# Altium PCB блок вычислительный_v1.PcbDoc (part 1 of 2) (continued)
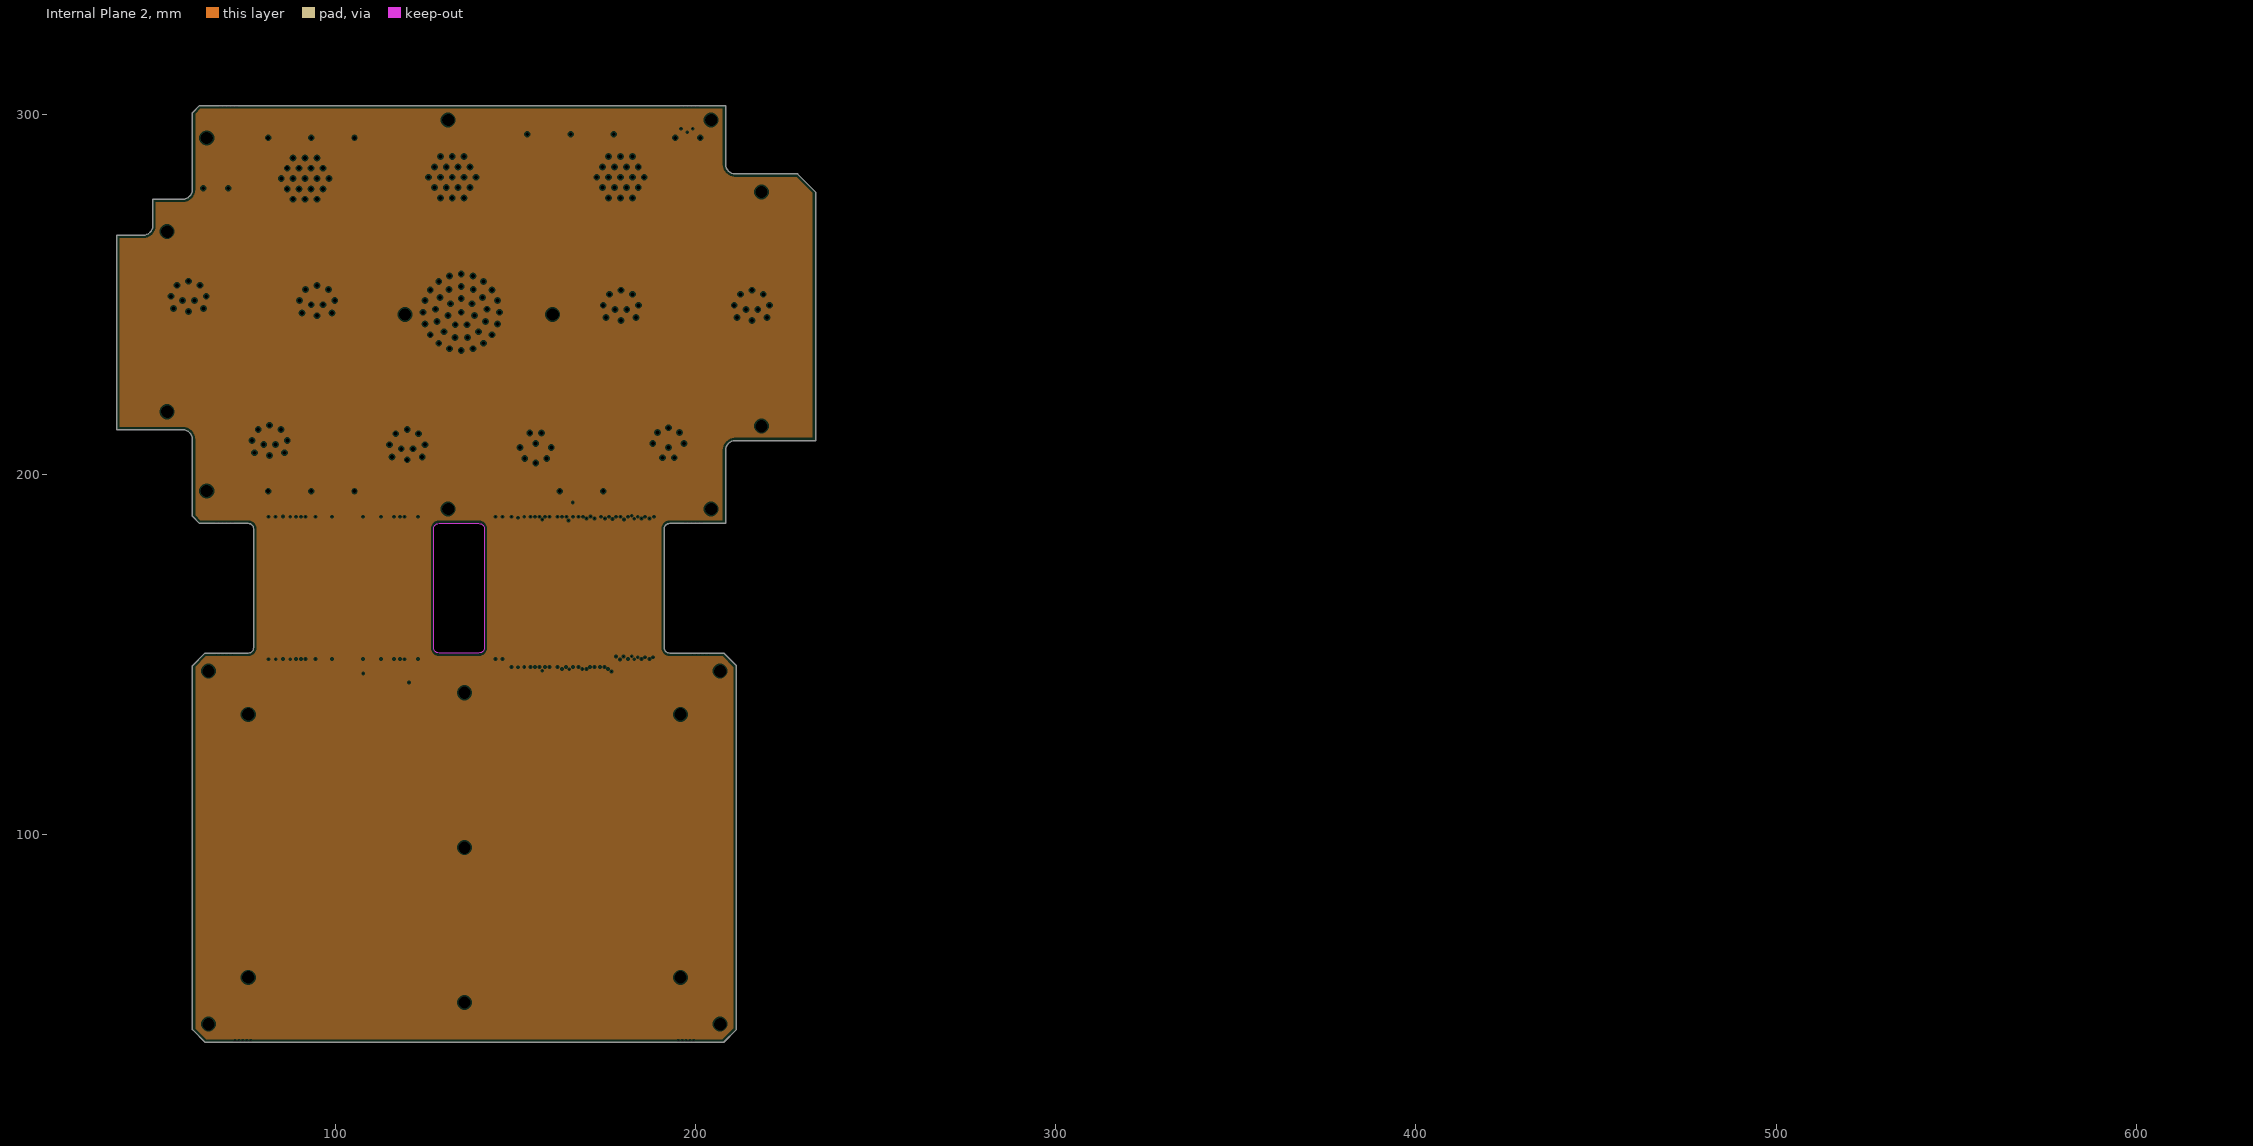
[diagram p5: Internal Plane 2, clearances drawn from the general rule]

## Layer stack, top to bottom
Top Solder: solder mask 0.0102, Solder Resist, Dk 3.5
Component Side: signal copper 0.018
Dielectric 1: core 0.5, FR-4, Dk 4.2
Internal Plane 1: plane copper 0.018, net GND
Dielectric 3: prepreg 0.1108, Dk 4.2
int1: signal copper 0.018
Dielectric 2: dielectric 0.15, Dk 3.4
int2: signal copper 0.018
Dielectric 5: prepreg 0.1108, Dk 4.2
Internal Plane 2: plane copper 0.018, net +3.3V
Dielectric 4: core 0.5, Dk 4.2
Bottom Layer: signal copper 0.018
Solder Side: solder mask 0.0102, Solder Resist, Dk 3.5

## Board outline
60.375,45.9 60.375,146.9 63.875,150.4 75.875,150.4 76.209,150.438 76.526,150.549 76.81,150.727 77.048,150.965 77.226,151.249 77.337,151.566 77.375,151.9 77.375,184.9 77.337,185.234 77.226,185.551 77.048,185.835 76.81,186.073 76.526,186.251 76.209,186.362 75.875,186.4 62.375,186.4 60.375,188.4 60.375,209.705 60.323,210.231 60.17,210.736 59.921,211.202 59.586,211.611 59.177,211.946 58.711,212.195 58.206,212.348 57.68,212.4 39.375,212.4 39.375,266.4 46.68,266.4 47.206,266.452 47.711,266.605 48.177,266.854 48.586,267.189 48.921,267.598 49.17,268.064 49.323,268.569 49.375,269.095 49.375,276.4 57.68,276.4 58.206,276.452 58.711,276.605 59.177,276.854 59.586,277.189 59.921,277.598 60.17,278.064 60.323,278.569 60.375,279.095 60.375,300.4 62.375,302.4 208.375,302.4 208.375,286.095 208.427,285.569 208.58,285.064 208.829,284.598 209.164,284.189 209.573,283.854 210.039,283.605 210.544,283.452 211.07,283.4 228.375,283.4 233.375,278.4 233.375,209.4 211.07,209.4 210.544,209.348 210.039,209.195 209.573,208.946 209.164,208.611 208.829,208.202 208.58,207.736 208.427,207.231 208.375,206.705 208.375,186.4 192.875,186.4 192.541,186.362 192.224,186.251 191.94,186.073 191.702,185.835 191.524,185.551 191.413,185.234 191.375,184.9 191.375,151.9 191.413,151.566 191.524,151.249 191.702,150.965 191.94,150.727 192.224,150.549 192.541,150.438 192.875,150.4 207.875,150.4 211.375,146.9 211.375,45.9 207.875,42.4 63.875,42.4
cut-out: 141.375,151.9 141.337,151.566 141.226,151.249 141.048,150.965 140.81,150.727 140.526,150.549 140.209,150.438 139.875,150.4 128.875,150.4 128.541,150.438 128.224,150.549 127.94,150.727 127.702,150.965 127.524,151.249 127.413,151.566 127.375,151.9 127.375,184.9 127.413,185.234 127.524,185.551 127.702,185.835 127.94,186.073 128.224,186.251 128.541,186.362 128.875,186.4 139.875,186.4 140.209,186.362 140.526,186.251 140.81,186.073 141.048,185.835 141.226,185.551 141.337,185.234 141.375,184.9
board region "Layer Stack Region 1": 77.226,185.551 77.048,185.835 76.81,186.073 76.526,186.251 76.209,186.362 75.875,186.4 62.375,186.4 60.375,188.4 60.375,209.705 60.323,210.231 60.17,210.736 59.921,211.202 59.586,211.611 59.177,211.946 58.711,212.195 58.206,212.348 57.68,212.4 39.375,212.4 39.375,266.4 46.68,266.4 47.206,266.452 47.711,266.605 48.177,266.854 48.586,267.189 48.921,267.598 49.17,268.064 49.323,268.569 49.375,269.095 49.375,276.4 57.68,276.4 58.206,276.452 58.711,276.605 59.177,276.854 59.586,277.189 59.921,277.598 60.17,278.064 60.323,278.569 60.375,279.095 60.375,300.4 62.375,302.4 208.375,302.4 208.375,286.095 208.427,285.569 208.58,285.064 208.829,284.598 209.164,284.189 209.573,283.854 210.039,283.605 210.544,283.452 211.07,283.4 228.375,283.4 233.375,278.4 233.375,209.4 211.07,209.4 210.544,209.348 210.039,209.195 209.573,208.946 209.164,208.611 208.829,208.202 208.58,207.736 208.427,207.231 208.375,206.705 208.375,186.4 192.875,186.4 192.541,186.362 192.224,186.251 191.94,186.073 191.702,185.835 191.586,185.65
board region "Layer Stack Region 1": 77.226,151.249 77.337,151.566 77.375,151.9 77.375,184.9 77.337,185.234 77.226,185.551 191.586,185.65 191.524,185.551 191.413,185.234 191.375,184.9 191.375,151.9 191.413,151.566 191.523,151.25
board region "Layer Stack Region 1": 191.523,151.25 191.524,151.249 191.702,150.965 191.94,150.727 192.224,150.549 192.541,150.438 192.875,150.4 207.875,150.4 211.375,146.9 211.375,45.9 207.875,42.4 63.875,42.4 60.375,45.9 60.375,146.9 63.875,150.4 75.875,150.4 76.209,150.438 76.526,150.549 76.81,150.727 77.048,150.965 77.226,151.249

## Design rules (kind name [scope] priority, off if disabled: settings)
AcuteAngle [All] p1: minimum=6.00000000000000E+0001 checktracksonly=FALSE
Clearance "Заливка медью" [InPolygon] p1: gap=0.25 ignorepadtopadclearanceinfootprint=FALSE except(0: Arc-Hole Track-Hole SMDPad-Hole THPad-Hole Via-Hole Fill-Hole Poly-Hole Region-Hole Text-Hole)
Clearance Переходное-площадка [IsVia vs IsPad And Not HasPad('D1000-21')] p2: gap=0.1 ignorepadtopadclearanceinfootprint=FALSE except(0: Arc-Hole Track-Hole SMDPad-Hole THPad-Hole Via-Hole Fill-Hole Poly-Hole Region-Hole Text-Hole)
Clearance Все [All] p3: gap=0.2 ignorepadtopadclearanceinfootprint=FALSE except(0: Arc-Hole Track-Hole SMDPad-Hole THPad-Hole Via-Hole Fill-Hole Poly-Hole Region-Hole Text-Hole)
ComponentClearance "Для компонентов N и P" [HasFootprint('Пл.площ.2.1х0.8') vs HasFootprint('Пл.площ.2.1х0.8')] p1: gap=0.2 collisioncheckmode=3 verticalgap=2540 showdistances=FALSE
ComponentClearance [All] p2: gap=0.7 collisioncheckmode=3 verticalgap=1.25 showdistances=TRUE
DiffPairsRouting [All] p1: maxlimit=0.3 minlimit=0.3 mostfreqgap=0.3 toplayer_minwidth=0.2 toplayer_maxwidth=0.2 toplayer_prefwidth=0.2 midlayer2_minwidth=0.2 midlayer2_maxwidth=0.2 midlayer2_prefwidth=0.2 midlayer3_minwidth=0.2 midlayer3_maxwidth=0.2 midlayer3_prefwidth=0.2 bottomlayer_minwidth=0.2 bottomlayer_maxwidth=0.2 bottomlayer_prefwidth=0.2 substack1={EC26FFAE-74DD-44A2-B7C8-370818741CBE} toplayer_{ec26ffae-74dd-44a2-b7c8-370818741cbe}_minwidth=0.381 toplayer_{ec26ffae-74dd-44a2-b7c8-370818741cbe}_maxwidth=0.381 toplayer_{ec26ffae-74dd-44a2-b7c8-370818741cbe}_prefwidth=0.381 midlayer2_{ec26ffae-74dd-44a2-b7c8-370818741cbe}_minwidth=0.381 midlayer2_{ec26ffae-74dd-44a2-b7c8-370818741cbe}_maxwidth=0.381 midlayer2_{ec26ffae-74dd-44a2-b7c8-370818741cbe}_prefwidth=0.381 midlayer3_{ec26ffae-74dd-44a2-b7c8-370818741cbe}_minwidth=0.381 midlayer3_{ec26ffae-74dd-44a2-b7c8-370818741cbe}_maxwidth=0.381 midlayer3_{ec26ffae-74dd-44a2-b7c8-370818741cbe}_prefwidth=0.381 bottomlayer_{ec26ffae-74dd-44a2-b7c8-370818741cbe}_minwidth=0.381 bottomlayer_{ec26ffae-74dd-44a2-b7c8-370818741cbe}_maxwidth=0.381 bottomlayer_{ec26ffae-74dd-44a2-b7c8-370818741cbe}_prefwidth=0.381 maxuncoupledlength=53
Height [All] p1: minheight=0 maxheight=50 prefheight=12.7
HoleSize [All] p1: absolutevalues=TRUE maxlimit=4.5 minlimit=0.2 maxpercent=80.000 minpercent=20.000
HoleToHoleClearance "отв. для разлома" [IsPad And (HoleSize = AsMM(0.7)) vs IsPad And (HoleSize = AsMM(0.7))] p1: gap=0.4 allowstackedmicrovias=TRUE
HoleToHoleClearance [All] p2: gap=0.8 allowstackedmicrovias=TRUE
MinimumAnnularRing [All] p1: minimumring=0.25
MinimumSolderMaskSliver [All] p1: minsoldermaskwidth=0.199
PlaneClearance "зазор с неметал отв." [Not  PadIsPlated] p1: clearance=0.8
PlaneClearance [All] p2: clearance=0.4
PlaneConnect Via_Direct [IsVia] p1: planeconnectstyle=Direct reliefexpansion=0.508 reliefentries=4 reliefconductorwidth=0.254 reliefairgap=0.254
PlaneConnect "Width 0.5" [(HoleSize >  AsMM(1.0))] p2: planeconnectstyle=Relief reliefexpansion=0.5 reliefentries=4 reliefconductorwidth=0.5 reliefairgap=0.3
PlaneConnect [All] p3: planeconnectstyle=Relief reliefexpansion=0.4 reliefentries=4 reliefconductorwidth=0.25 reliefairgap=0.25
PolygonConnect Переходное [IsVia] p1: connectstyle=Direct reliefconductorwidth=0.254 reliefentries=4 polygonreliefangle="90 Angle" airgapwidth=0.254
PolygonConnect [All] p2: connectstyle=Relief reliefconductorwidth=0.25 reliefentries=4 polygonreliefangle="90 Angle" airgapwidth=0.25
RoutingCorners [All] p1: cornerstyle=45-Degree minsetback=2.5 maxsetback=2.5
RoutingVias [All] p1: holewidth=0.3 width=0.7 viastyle="Through Hole" minholewidth=0.2 minwidth=0.5 maxholewidth=0.4 maxwidth=1
SilkToBoardRegionClearance [All] p1 off:
SilkToSilkClearance [All] p1 off: silktosilkclearance=0.2
SilkToSolderMaskClearance [IsPad] p1 off: minsilkscreentomaskgap=0.2 clearancetoexposedcopper=TRUE
SolderMaskExpansion "Via <= 0.4mm" [IsVia And (HoleSize <= AsMM(0.4))] p1: expansion=-2 istentingtop=FALSE
SolderMaskExpansion [All] p2: expansion=0.075 istentingtop=FALSE
ViasUnderSMD "Перех.под площадкой D1000-21" [HasPad('D1000-21')] p1: allowed=TRUE
ViasUnderSMD [All] p2: allowed=FALSE
Width Width_1 [InNetClass('1A')] p1: maxlimit=1 minlimit=0.25 preferedwidth=1 substack1={EC26FFAE-74DD-44A2-B7C8-370818741CBE} checkconnectedcopper=TRUE
Width Width_0.5 [InNetClass('0.5A')] p2: maxlimit=0.5 minlimit=0.25 preferedwidth=0.5 substack1={EC26FFAE-74DD-44A2-B7C8-370818741CBE} checkconnectedcopper=TRUE
Width [All] p3: maxlimit=2 minlimit=0.15 preferedwidth=0.2 substack1={EC26FFAE-74DD-44A2-B7C8-370818741CBE} checkconnectedcopper=TRUE
18 further rules are at their usual default settings.

## Classes and differential pairs
component class InternalConnection: D3 N1 N2 N3 N4 N5 N6 N7 N8 N9 N10 N11 N12 N13 N14 N15 N16 N17 N18 N19 N20 N21 N22 N23 N24 N25 N26 N27 N28 N29 N30 N31 N32 N33 N34 N35 N36 N37 N38 N39 N40 N41 N42 N43 N44 N45 N46 N47 N48 N49 N50 N51 N52 N53 N54 N55 N56 N57 N58 N59 N60 N61 N62 N63 N64 N65 N66 N67 N68 N69 N70 N71 N72 N73 N74 N75 N76 N77 N78 N79 N80 N81 N82 R30 R31 R32 R33 R34 R35 VD5 X164 X165 X166 X167 X168 X169 X170 X171 X172 X173 X174 X175 X176 X177 X178 X179 X180 X181 X182 X183 X184 X185 X186 X187 X188 X189 X190 X191 X192 X193 X194 X195 X196 X197 X198 X199 X200 X201 X202 X203 X204 X205 X206 X207 X208 X209 X210 X211 X212 X213 X214 X215 X216 X217 X218 X219 X220 X221 X222 X223 X224 X225 X226 X227 X228 XP11 XP12 XS1 XS2 XS3 XS4 XS5 XS6 XS7 XS8 XS9
component class MCU1: BQ1 C1 C2 C3 C4 C5 C6 C7 C8 C9 C10 C11 C12 C13 C14 C15 C16 C17 C18 C19 C20 C21 C22 C23 C24 C25 C26 C27 C28 C29 C30 C31 C32 C33 C34 C35 C36 C37 C38 C39 C40 C41 C42 C43 C44 C45 C46 C47 C48 C49 C50 C51 C52 C53 C54 C55 C56 C57 C58 C59 C60 C61 C62 C63 C64 C65 C66 C67 C68 C69 C70 C71 C72 C73 C74 C75 C76 C77 C78 C79 C80 C81 C82 C83 C84 C85 C86 C87 C88 C89 C90 C91 C92 C93 C94 C95 D1
component class InterfMCU: C96 C97 C98 C99 C100 C101 C102 C103 C104 C105 C106 C107 C108 C109 C110 C111 C112 C113 C114 D2 DA1 DA2 DD1 DD2 DD3 K1 R1 R2 R3 R4 R5 R6 R7 R8 R9 R10 R11 R12 R13 R14 R15 R16 R17 R18 R19 R20 R21 R22 R23 R24 R25 R26 R27 R28 R29 VD2 VD3 VD4 VT1 VT2 VT3 VT4 VT5 VT6 Т1 Т2
component class MCU2: X52 X53 X54 X55 X56 X57 X58 X59 X60 X61 X62 X63 X64 X65 X66 X67 X68 X69 X70 X71 X72 X73 X74 X75 X76 X77 X78 X79 X80 X81 X82 X83 X84 X85 X86 X87 X88 X89 X90 X91 X92 X93 X94 X95 X96 X97 X98 X99 X100 X101 X102 X103 X104 X105 X106 X107 X108 X109 X110 X111 X112 X113 X114 X115 X116 X117 X118 X119 X120 X121 X122 X123 X124 X125 X126 X127 X128 X129 X130 X131 X132 X133 X134 X135 X136 X137 X138 X139 X140 X141 X142 X143 X144 X145 X146 X147 X148 X149 X150 X151 X152 X153 X154 X155 X156 X157 X158 X159 X160 X161 X162 X163
component class ExternalConnection: VD1 X1 X2 X3 X4 X5 X6 X7 X8 X9 X10 X11 X12 X13 X14 X15 X16 X17 X18 X19 X20 X21 X22 X23 X24 X25 X26 X27 X28 X29 X30 X31 X32 X33 X34 X35 X36 X37 X38 X39 X40 X41 X42 X43 X44 X45 X46 X47 X48 X49 X50 X51 XP1 XP2 XP3 XP4 XP5 XP6 XP7 XP8 XP9 XP10 XP13 XP14

## Components (designator, comment, footprint, x,y, rotation, side; value= is the part's Value field where it differs from the comment)
BQ1 "Резонатор РК463-5ДС-16,0М" RK463_BQ_RK-463(Primary) 114,143.25 r180 top
C1 "22 мкФ" К53-67 237.5,275 r270 top
C2 "22 мкФ" К53-67 242.5,275 r270 top
C3 "0.1 мкФ" C1210 109,143.75 r90 top
C4 "0.1 мкФ" C1210 155.75,106.25 r270 top
C5 "0.1 мкФ" C1210 108.5,137.5 r0 bottom
C6 "0.1 мкФ" C1210 87.75,110 r90 bottom
C7 "0.1 мкФ" C1210 97,96.5 r180 bottom
C8 "0.1 мкФ" C1210 114.25,136.5 r180 bottom
C9 "0.1 мкФ" C1210 102.75,137.25 r0 bottom
C10 "0.1 мкФ" C1210 123.25,125.25 r270 bottom
C11 "0.1 мкФ" C1210 126.5,125.25 r270 top
C12 "0.1 мкФ" C1210 144.5,121.75 r270 top
C13 "0.1 мкФ" C1210 170.75,121 r90 bottom
C14 "0.1 мкФ" C1210 169,135.5 r90 top
C15 "0.1 мкФ" C1210 147.75,135 r90 top
C16 "0.1 мкФ" C1210 162.5,109.75 r180 top
C17 "0.1 мкФ" C1210 158.25,109.75 r180 top
C18 "0.1 мкФ" C1210 143.75,119 r180 top
C19 "0.1 мкФ" C1210 180.75,124.25 r270 top
C20 "0.1 мкФ" C1210 158.5,93.75 r270 top
C21 "0.1 мкФ" C1210 74,120 r180 top
C22 "0.1 мкФ" C1210 143.5,103.25 r270 bottom
C23 "0.1 мкФ" C1210 173.25,108.75 r90 top
C24 "0.1 мкФ" C1210 205.95,215 r0 bottom
C25 "0.1 мкФ" C1210 153.325,272.5 r90 bottom
C26 "0.1 мкФ" C1210 153.5,265 r90 bottom
C27 "0.1 мкФ" C1210 185.5,231 r0 bottom
C28 "15 пФ" C1210 200.5,224.75 r90 bottom
C29 "0.1 мкФ" C1210 195,231 r180 bottom
C30 "0.1 мкФ" C1210 190.25,231 r180 bottom
C31 "0.1 мкФ" C1210 164.5,76.75 r180 top
C32 "0.1 мкФ" C1210 66.8,77.5 r0 top
C33 "0.1 мкФ" C1210 164.5,76.75 r180 bottom
C34 "0.1 мкФ" C1210 66.8,77.5 r0 bottom
C35 "0.1 мкФ" C1210 102.25,67.25 r0 top
C36 "0.1 мкФ" C1210 129.5,70.75 r270 top
C37 "0.1 мкФ" C1210 124,88.5 r90 top
C38 "0.1 мкФ" C1210 114.25,91.25 r0 top
C39 "0.1 мкФ" C1210 125.75,63.75 r180 top
C40 "0.1 мкФ" C1210 102.25,67.25 r0 bottom
C41 "0.1 мкФ" C1210 114.25,91.25 r180 bottom
C42 "0.1 мкФ" C1210 124,88.5 r90 bottom
C43 "0.1 мкФ" C1210 129.5,70.5 r90 bottom
C44 "15 пФ" C1210 125.75,63.625 r0 bottom
C45 "0.1 мкФ" C1210 189.25,127.75 r180 top
C46 "0.1 мкФ" C1210 184.5,96 r90 top
C47 "0.1 мкФ" C1210 73,123 r0 top
C48 "0.1 мкФ" C1210 175,270 r90 bottom
C49 "0.1 мкФ" C1210 175,260.25 r90 bottom
C50 "0.1 мкФ" C1210 329.749,52.5 r270 top
C51 "0.1 мкФ" C1210 282.749,52.5 r270 top
C52 "0.1 мкФ" C1210 235.75,52.5 r270 top
C53 "0.1 мкФ" C1210 332.749,52.5 r270 top
C54 "0.1 мкФ" C1210 285.749,52.5 r270 top
C55 "0.1 мкФ" C1210 238.75,52.5 r270 top
C56 "0.1 мкФ" C1210 335.999,52.5 r270 top
C57 "0.1 мкФ" C1210 288.999,52.5 r270 top
C58 "0.1 мкФ" C1210 242,52.5 r270 top
C59 "0.1 мкФ" C1210 339.249,52.5 r270 top
C60 "0.1 мкФ" C1210 291.999,52.5 r270 top
C61 "0.1 мкФ" C1210 245,52.5 r270 top
C62 "0.1 мкФ" C1210 342.249,52.5 r270 top
C63 "0.1 мкФ" C1210 295.249,52.5 r270 top
C64 "0.1 мкФ" C1210 248.25,52.5 r270 top
C65 "0.1 мкФ" C1210 345.499,52.5 r270 top
C66 "0.1 мкФ" C1210 298.499,52.5 r270 top
C67 "0.1 мкФ" C1210 251.249,52.5 r270 top
C68 "0.1 мкФ" C1210 348.499,52.5 r270 top
C69 "0.1 мкФ" C1210 301.499,52.5 r270 top
C70 "0.1 мкФ" C1210 254.499,52.5 r270 top
C71 "0.1 мкФ" C1210 351.749,52.5 r270 top
C72 "0.1 мкФ" C1210 304.749,52.5 r270 top
C73 "0.1 мкФ" C1210 257.749,52.5 r270 top
C74 "0.1 мкФ" C1210 354.749,52.5 r270 top
C75 "0.1 мкФ" C1210 307.749,52.5 r270 top
C76 "0.1 мкФ" C1210 260.749,52.5 r270 top
C77 "0.1 мкФ" C1210 357.999,52.5 r270 top
C78 "0.1 мкФ" C1210 310.999,52.5 r270 top
C79 "0.1 мкФ" C1210 263.999,52.5 r270 top
C80 "0.1 мкФ" C1210 360.999,52.5 r270 top
C81 "0.1 мкФ" C1210 313.999,52.5 r270 top
C82 "0.1 мкФ" C1210 266.999,52.5 r270 top
C83 "0.1 мкФ" C1210 364.249,52.5 r270 top
C84 "0.1 мкФ" C1210 317.249,52.5 r270 top
C85 "0.1 мкФ" C1210 270.249,52.5 r270 top
C86 "0.1 мкФ" C1210 367.249,52.5 r270 top
C87 "0.1 мкФ" C1210 320.249,52.5 r270 top
C88 "0.1 мкФ" C1210 273.249,52.5 r270 top
C89 "0.1 мкФ" C1210 370.499,52.5 r270 top
C90 "0.1 мкФ" C1210 323.499,52.5 r270 top
C91 "0.1 мкФ" C1210 276.499,52.5 r270 top
C92 "0.1 мкФ" C1210 373.499,52.5 r270 top
C93 "0.1 мкФ" C1210 326.499,52.5 r270 top
C94 "0.1 мкФ" C1210 279.499,52.5 r270 top
C95 "0.1 мкФ" C1210 376.749,52.5 r270 top
C96 "0.1 мкФ" C0805 337.5,100 r270 top
C97 "0.1 мкФ" C1210 247,46 r270 top
C98 "0.1 мкФ" C0805 442.5,100 r270 top
C99 "0.1 мкФ" C0805 367.5,100 r270 top
C100 "100 пФ" К53-68E 487.5,97.5 r270 top
C101 "100 пФ" К53-68E 415,97.5 r270 top
C102 "0.01 пФ" C0805 237.5,100 r270 top
C103 "0.01 пФ" C0805 262.5,100 r270 top
C104 "0.1 мкФ" C1210 235.75,46 r270 top
C105 "0.1 мкФ" C1210 239.5,46 r270 top
C106 "10 пФ" К53-67 245,97.5 r270 top
C107 "0.1 мкФ" C1210 243.25,46 r270 top
C108 "10 пФ" К53-67 280,97.5 r270 top
C109 "0.1 мкФ" К53-67 237.5,55 r270 top value=4.7мкФ
C110 "0.1 мкФ" К53-67 250,55 r270 top value=4.7мкФ
C111 "0.1 мкФ" К53-67 245,55 r270 top value=4.7мкФ
C112 "0.1 мкФ" C0805 292.5,100 r270 top
C113 "0.1 мкФ" К53-67 255,55 r270 top value=4.7мкФ
C114 "0.1 мкФ" К53-67 242.5,55 r270 top value=4.7мкФ
D1 "1921ВК028" BGA-400_21.0X21.0MM_LAYOUT20X20_P1.0MM 97,95 r0 top
D2 "1554КП12ТБ" 1554КП12ТБ 307.5,92.5 r270 top
D3 "CY62136EV30" TSOP-44 420,110 r180 top value="256 КБ"
DA1 "5559ИН13У1" N09.28-1B 467.5,95 r180 top
DA2 "5559ИН13У1" N09.28-1B 402.5,95 r180 top
DD1 "ADM3053BRWZ-REEL7_1" SOIC-20 330,95 r180 top
DD2 "ILA82C251D" SOIC-8 357.5,97.5 r270 top
DD3 "ILX3232" SOIC-16 260,52.5 r180 top
K1 "РЭК60" РЭК60 507.5,102.5 r270 top value="Реле РЭК61В РВИМ.647611.008-18"
N1 "CONT" ПЛАН_ПЛОЩ 355,190 r270 top
N2 "CONT" ПЛАН_ПЛОЩ 345,190 r270 top
N3 "CONT" ПЛАН_ПЛОЩ 330,190 r270 top
N4 "CONT" ПЛАН_ПЛОЩ 320,190 r270 top
N5 "CONT" ПЛАН_ПЛОЩ 312.5,190 r270 top
N6 "CONT" ПЛАН_ПЛОЩ 297.5,190 r270 top
N7 "CONT" ПЛАН_ПЛОЩ 290,190 r270 top
N8 "CONT" ПЛАН_ПЛОЩ 285,190 r270 top
N9 "CONT" ПЛАН_ПЛОЩ 275,190 r270 top
N10 "CONT" ПЛАН_ПЛОЩ 265,190 r270 top
N11 "CONT" ПЛАН_ПЛОЩ 260,190 r270 top
N12 "CONT" ПЛАН_ПЛОЩ 247.5,190 r270 top
N13 "CONT" ПЛАН_ПЛОЩ 262.5,115 r270 top
N14 "CONT" ПЛАН_ПЛОЩ 257.5,115 r270 top
N15 "CONT" ПЛАН_ПЛОЩ 240,115 r270 top
N16 "CONT" ПЛАН_ПЛОЩ 577.5,190 r270 top
N17 "CONT" ПЛАН_ПЛОЩ 565,190 r270 top
N18 "CONT" ПЛАН_ПЛОЩ 547.5,190 r270 top
N19 "CONT" ПЛАН_ПЛОЩ 522.5,190 r270 top
N20 "CONT" ПЛАН_ПЛОЩ 510,190 r270 top
N21 "CONT" ПЛАН_ПЛОЩ 495,190 r270 top
N22 "CONT" ПЛАН_ПЛОЩ 482.5,190 r270 top
N23 "CONT" ПЛАН_ПЛОЩ 465,190 r270 top
N24 "CONT" ПЛАН_ПЛОЩ 450,190 r270 top
N25 "CONT" ПЛАН_ПЛОЩ 437.5,190 r270 top
N26 "CONT" ПЛАН_ПЛОЩ 425,190 r270 top
N27 "CONT" ПЛАН_ПЛОЩ 402.5,190 r270 top
N28 "CONT" ПЛАН_ПЛОЩ 392.5,190 r270 top
N29 "CONT" ПЛАН_ПЛОЩ 377.5,190 r270 top
N30 "CONT" ПЛАН_ПЛОЩ 375,190 r270 top
N31 "CONT" ПЛАН_ПЛОЩ 367.5,190 r270 top
N32 "CONT" ПЛАН_ПЛОЩ 360,190 r270 top
N33 "CONT" ПЛАН_ПЛОЩ 352.5,190 r270 top
N34 "CONT" ПЛАН_ПЛОЩ 337.5,190 r270 top
N35 "CONT" ПЛАН_ПЛОЩ 325,190 r270 top
N36 "CONT" ПЛАН_ПЛОЩ 317.5,190 r270 top
N37 "CONT" ПЛАН_ПЛОЩ 300,190 r270 top
N38 "CONT" ПЛАН_ПЛОЩ 292.5,190 r270 top
N39 "CONT" ПЛАН_ПЛОЩ 280,190 r270 top
N40 "CONT" ПЛАН_ПЛОЩ 272.5,190 r270 top
N41 "CONT" ПЛАН_ПЛОЩ 262.5,190 r270 top
N42 "CONT" ПЛАН_ПЛОЩ 257.5,190 r270 top
N43 "CONT" ПЛАН_ПЛОЩ 250,190 r270 top
N44 "CONT" ПЛАН_ПЛОЩ 240,190 r270 top
N45 "CONT" ПЛАН_ПЛОЩ 530,190 r270 top
N46 "CONT" ПЛАН_ПЛОЩ 520,190 r270 top
N47 "CONT" ПЛАН_ПЛОЩ 282.5,115 r270 top
N48 "CONT" ПЛАН_ПЛОЩ 260,115 r270 top
N49 "CONT" ПЛАН_ПЛОЩ 255,115 r270 top
N50 "CONT" ПЛАН_ПЛОЩ 585,190 r270 top
N51 "CONT" ПЛАН_ПЛОЩ 562.5,190 r270 top
N52 "CONT" ПЛАН_ПЛОЩ 545,190 r270 top
N53 "CONT" ПЛАН_ПЛОЩ 410,115 r270 top
N54 "CONT" ПЛАН_ПЛОЩ 400,115 r270 top
N55 "CONT" ПЛАН_ПЛОЩ 385,115 r270 top
N56 "CONT" ПЛАН_ПЛОЩ 375,115 r270 top
N57 "CONT" ПЛАН_ПЛОЩ 360,115 r270 top
N58 "CONT" ПЛАН_ПЛОЩ 350,115 r270 top
N59 "CONT" ПЛАН_ПЛОЩ 342.5,115 r270 top
N60 "CONT" ПЛАН_ПЛОЩ 337.5,115 r270 top
N61 "CONT" ПЛАН_ПЛОЩ 325,115 r270 top
N62 "CONT" ПЛАН_ПЛОЩ 310,115 r270 top
N63 "CONT" ПЛАН_ПЛОЩ 492.5,190 r270 top
N64 "CONT" ПЛАН_ПЛОЩ 475,190 r270 top
N65 "CONT" ПЛАН_ПЛОЩ 457.5,190 r270 top
N66 "CONT" ПЛАН_ПЛОЩ 440,190 r270 top
N67 "CONT" ПЛАН_ПЛОЩ 420,190 r270 top
N68 "CONT" ПЛАН_ПЛОЩ 405,190 r270 top
N69 "CONT" ПЛАН_ПЛОЩ 387.5,190 r270 top
N70 "CONT" ПЛАН_ПЛОЩ 382.5,190 r270 top
N71 "CONT" ПЛАН_ПЛОЩ 372.5,190 r270 top
N72 "CONT" ПЛАН_ПЛОЩ 370,190 r270 top
N73 "CONT" ПЛАН_ПЛОЩ 362.5,190 r270 top
N74 "CONT" ПЛАН_ПЛОЩ 357.5,190 r270 top
N75 "CONT" ПЛАН_ПЛОЩ 335,190 r270 top
N76 "CONT" ПЛАН_ПЛОЩ 322.5,190 r270 top
N77 "CONT" ПЛАН_ПЛОЩ 315,190 r270 top
N78 "CONT" ПЛАН_ПЛОЩ 305,190 r270 top
N79 "CONT" ПЛАН_ПЛОЩ 295,190 r270 top
N80 "CONT" ПЛАН_ПЛОЩ 287.5,190 r270 top
N81 "CONT" ПЛАН_ПЛОЩ 277.5,190 r270 top
N82 "CONT" ПЛАН_ПЛОЩ 270,190 r270 top
R1 "2 Ом" P1-12-0.5(1210) 83.25,130.5 r180 top
R2 "2 Ом" P1-12-0.5(1210) 93,140.25 r90 top
R3 "12кОм" P1-12-0.125(0805) 290,102.5 r180 top
R4 "56 Ом" P1-12-0.5(1210) 83.25,132.75 r180 top
R5 "56 Ом" P1-12-0.5(1210) 174.5,127.5 r0 top
R6 "56 Ом" P1-12-0.5(1210) 116.5,140 r0 top
R7 "56 Ом" P1-12-0.5(1210) 110.5,140 r180 top
R8 "47кОм" P1-12-0.125(0805) 285,102.5 r180 top
R9 "47кОм" P1-12-0.125(0805) 272.5,102.5 r180 top
R10 "47кОм" P1-12-0.125(0805) 255,102.5 r180 top
R11 "47кОм" P1-12-0.125(0805) 240,102.5 r180 top
R12 "47кОм" P1-12-0.125(0805) 392.5,102.5 r180 top
R13 "47кОм" P1-12-0.125(0805) 390,102.5 r180 top
R14 "47кОм" P1-12-0.125(0805) 370,102.5 r180 top
R15 "47кОм" P1-12-0.125(0805) 432.5,102.5 r180 top
R16 "47кОм" P1-12-0.125(0805) 250,102.5 r180 top
R17 "47кОм" P1-12-0.125(0805) 342.5,102.5 r180 top
R18 "47кОм" P1-12-0.125(0805) 477.5,102.5 r180 top
R19 "47кОм" P1-12-0.125(0805) 452.5,102.5 r180 top